# KiCad board revxlp.kicad_pcb (continued)
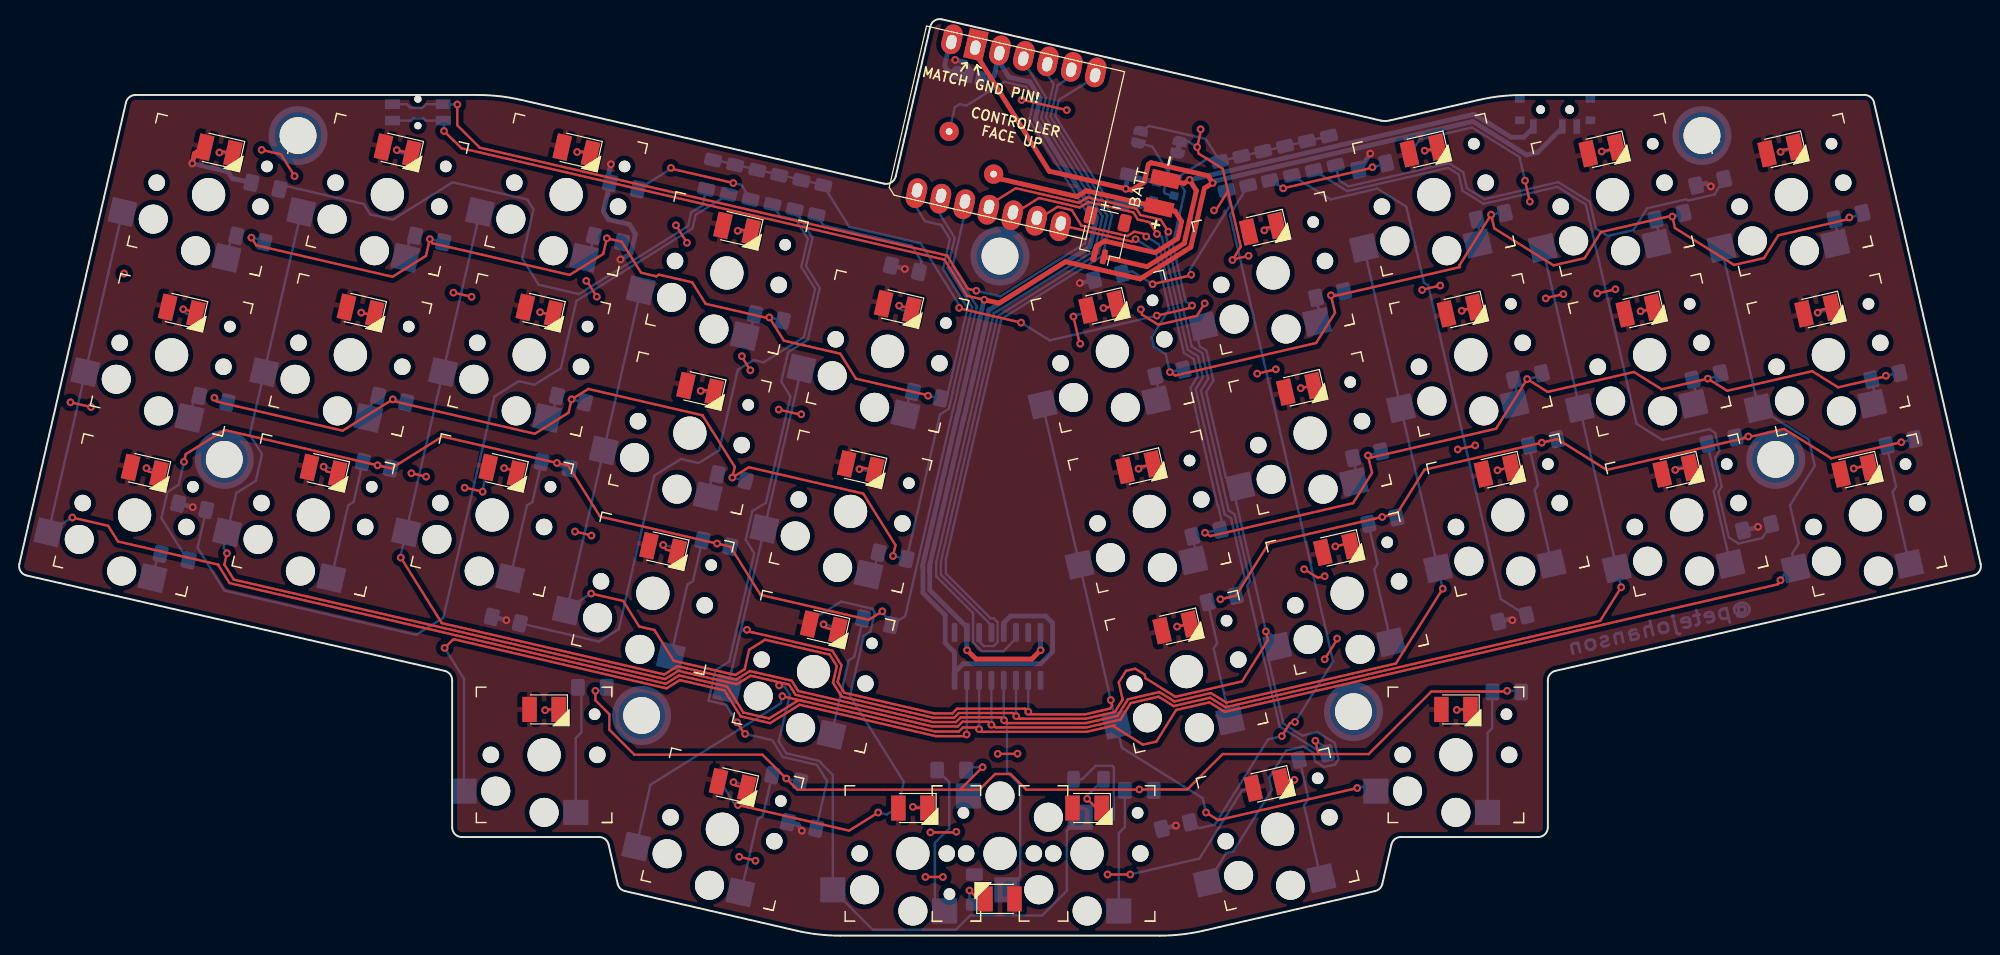
[diagram p0: board, top side]
## Nets (continued)

Pads without a net: BT2 MP; H1 1; H2 1; H3 1; H4 1; H5 1; H6 1; H7 1; SW1 3; U1 1 9 15

## Via types
v1: diameter 0.8, hole 0.4, Top to Bottom, 195 vias

## Routing (per net, layer and track width the routed paths; a pad name or vN(x,y) marks a point on that pad's centre or on a via; arc(x,y) is an arc through that point)
+3V3: length 88.1
  Top w0.5: v1(105.52,29.52) 104.6,28.6 98.84,28.6 v1(97.92,29.52)
  Bottom w0.5: 94.06,37.66 94.06,37.98 ; 94.06,37.66 94.06,38.32 97.54,53.39 97.56,53.41 100.03,64.08 100.17,64.71 110.6,71.22 111.31,74.28 104.97,84.43 105.47,86.59 104.41,88.28 102.25,88.78 101.1,90.62 U2.12 100.7,88.89 100.06,88.49 JP1.3 ; 94.06,37.66 94.06,35.74 97.89,31.9 97.89,29.55 v1(97.92,29.52) ; v1(105.52,29.52) 105.51,29.53 U1.16
+5V: length 40
  Top w0.5: SwA1.4 18.1,80.89 v1(17.86,79.86)
  Bottom w0.5: v1(17.86,79.86) 21.56,79.01 22,78.32 D_U0.2 ; D_U10.2 154.05,32.75 v1(154.26,32.62) ; D_U5.2 174.26,77.81 v1(174.77,77.49) ; v1(139.58,80.88) 138.57,79.26 D_U4.2 ; v1(109.57,67.49) 109.6,67.47 D_U3.2 ; D_U7.2 v1(50.32,32.63) ; 98.21,89.57 97.74,90.33 v1(96.69,90.57) ; v1(62.11,69.93) 62.17,69.92 63.19,70.56 63.65,72.56 63.03,73.57 60.86,74.07 60.34,74.89 D_U1.2 60.78,78.26 v1(61.13,79.78) ; D_U9.2 v1(119.5,11.38) ; v1(91.49,68.94) 91.47,68.97 D_U2.2 ; v1(179.64,42.28) 179.62,42.25 D_U11.2 ; v1(80.85,10.85) 80.44,11.51 D_U8.2 ; D_U6.2 17.9,44.34 v1(17.92,44.31)
GND: length 236.5
  Top w0.25: v1(43.88,83.21) 44.85,82.24 44.87,82.24 45.67,81.43 76.29,74.37 95.59,69.91 97.93,66.17 v1(99.7,65.76)
  Top w0.5: 98.62,91.14 98.9,91.08 106.41,79.06 114.32,77.24 v1(114.32,77.24) 114.91,77.1 116.23,77.93 116.65,79.76 116.94,79.94 120.75,79.06 120.76,79.06 122.83,78.59 v1(123.3,77.84) 122.45,77.31 121.04,71.2 115.79,67.92 108.08,69.7 101.21,65.41 v1(99.7,65.76)
  Bottom w0.25: v1(43.88,83.21) 43.88,84.21 SW2.2 42,84.29 41.78,84.51 40.7,84.51 40.48,84.29 SW2.2
  Bottom w0.5: Q1.2 114.64,78.57 114.54,78.73 ; 159.43,83.56 156.87,81 156.84,81 155.73,80.74 150.19,84.2 123.69,78.08 123.41,78.02 v1(123.3,77.84) ; U1.13 101.7,32.35 102.41,33.05 106.04,33.05 106.76,32.33 106.76,29.37 105.51,28.12 97.52,28.12 96.62,27.22 96.62,29.3 95.66,30.26 95.66,33.15 93.36,35.45 93.36,38.07 ; 93.36,38.07 93.36,38.07 93.36,38.22 ; 93.36,38.07 93.3,38.16 96.92,53.83 96.95,53.85 99.25,63.81 99.23,63.83 99.66,65.7 ; R80.2 114.29,77.3 v1(114.32,77.24)
BAT+: length 32.7
  Top w0.5: U2.16 100.91,78.36 109.26,76.43 110.24,77.05 119.42,74.93 120.09,73.85 119.68,72.1 117.34,70.64 112.13,71.84 111.29,71.32 BT2.2
col0: length 78.1
  Top w0.25: v1(43.94,29.76) 44.81,30.62 45.01,30.62 66.87,25.57 68.24,26.43 72.85,25.36 74.52,22.68 74.53,22.68 77.57,21.98 80.61,23.88 94.72,20.63 97.7,20.63 v1(97.88,20.81)
  Bottom w0.25: SwG0.2 45.94,26.55 v1(43.94,29.76) ; 97.89,25.77 97.89,20.83 v1(97.88,20.81)
col1: length 294.5
  Top w0.25: v1(5.47,43.24) 9.18,42.38 10.19,40.76 20.56,38.37 20.55,38.32 21.72,36.46 66.79,26.05 68.16,26.91 73.13,25.76 74.81,23.08 77.47,22.46 80.52,24.37 80.98,24.26 ; 112.97,21.7 116.09,19.75 117.48,20.07 119.52,23.34 122.96,24.13 124.54,23.14 181.7,36.34 v1(181.97,36.76) ; 110.27,21.08 99.44,21.08 v1(99.16,21.36) 98.99,21.53 97.49,21.53 97.07,21.11 94.62,21.11 80.98,24.26 ; 80.98,24.26 79.63,24.57 79.63,24.58 v1(78.84,24.76) ; 113.18,21.75 110.26,21.08
  Bottom w0.25: SwA1.2 9.2,68.59 SwE1.2 5.45,43.24 v1(5.47,43.24) ; v1(99.16,21.36) 99.16,21.36 99.16,25.77 ; SwG1.2 65.21,15.61 78.66,24.02 v1(78.84,24.76) ; SwB1.2 SwD1.2 184.89,51.31 185.51,48.61 182.95,44.51 183.85,40.58 183.17,39.5 SwF1.2 182.6,37.78 v1(181.97,36.76)
col2: length 293.6
  Top w0.25: 110.3,21.54 113.76,22.34 114.83,24.05 117.7,24.72 119.26,23.74 123.04,24.61 124.62,23.62 163.33,32.56 v1(165.51,36.03) ; 110.24,21.53 100.87,21.53 100.59,21.81 v1(100.44,21.81) 100.12,22.13 97.45,22.13 96.96,21.64 94.33,21.64 80.19,24.9 79.53,25.97 78.48,26.21 ; 78.48,26.21 76.01,26.78 76,26.77 75.55,26.88 74.13,25.99 68.09,27.39 68.09,27.39 66.71,26.53 49.05,30.61 22.16,36.82 21.18,38.38 v1(21.45,39.55) ; 78.48,26.21 78.55,26.1 v1(78.5,25.88)
  Bottom w0.25: SwB2.2 SwF2.2 165.5,36.04 v1(165.51,36.03) ; SwA2.2 23.81,51.82 25.07,49.79 24.44,47.04 22.41,45.78 22.41,45.78 SwE2.2 21.1,40.11 v1(21.45,39.55) ; 100.43,25.77 100.43,21.81 v1(100.44,21.81) ; v1(78.5,25.88) 79.08,25.75 79.61,24.89 79.27,23.44 79.24,23.41 78.47,20.08 79.23,18.86 82.71,18.06 82.85,17.83 84.05,16.63 84.05,8.41 SwG2.2 88.18,0.62 93.47,0.62 93.47,0.62 96.77,0.62 98.23,2.08 105.67,2.08 108.23,4.64 108.23,10.89 SwAltG2.2
col3: length 215.8
  Top w0.25: 110.24,21.99 113.48,22.74 114.55,24.45 117.78,25.2 119.34,24.22 123.12,25.09 124.71,24.1 142.23,28.15 v1(147.07,35.88) ; 94.41,22.09 96.77,22.09 97.26,22.58 101.41,22.58 101.71,22.28 v1(101.75,22.28) 102.04,21.98 110.26,21.98 ; 94.33,22.1 80.48,25.3 79.81,26.36 76.1,27.22 75.48,27.36 74.05,26.47 68.96,27.65 68.96,27.65 68.01,27.87 66.63,27.01 43.65,32.32 v1(39.41,39.1)
  Bottom w0.25: SwA3.2 46.13,68.48 SwE3.2 39.36,39.18 v1(39.41,39.1) ; SwB3.2 146.57,38.01 SwF3.2 147.06,35.89 v1(147.07,35.88) ; 101.7,25.77 101.7,22.32 v1(101.75,22.28) 101.75,22.14 102.05,21.84 102.05,16.94 103.41,15.58 103.41,6.11 SwG3.2
col4: length 204.8
  Top w0.25: 103.67,22.43 103.26,22.43 v1(103,22.7) 102.67,23.03 97.08,23.03 96.59,22.54 94.35,22.54 ; 103.67,22.43 110.12,22.43 ; 103.67,22.43 103.36,22.43 103,22.8 ; v1(59.08,35.38) 62.39,34.61 64.04,31.98 65.62,31.61 67.61,28.43 73.98,26.96 74.94,27.56 75.4,29.57 77.06,30.6 81.68,29.54 81.69,29.54 83.73,29.07 84.47,27.88 84.07,26.16 84.97,24.72 94.35,22.56 ; 110.17,22.44 112.1,22.88 113.2,23.13 114,24.42 113.59,26.19 114.34,27.39 115.29,27.61 116.27,27 116.36,26.63 119.44,24.71 126.34,26.3 129,30.56 v1(128.8,31.46)
  Bottom w0.25: SwA4.2 64.17,66.64 SwE4.2 56.6,33.83 v1(59.08,35.38) ; 102.97,25.77 102.97,22.72 v1(103,22.7) ; SwB4.2 121.71,62.03 121.96,60.93 122.66,60.5 123.37,57.4 122.62,56.21 124.66,47.38 SwD4.2 125.57,45.52 128.81,31.48 v1(128.8,31.46) 129.75,30.86 SwF4.2 129.09,28.48 130.61,21.92 132.56,20.7 134.11,21.05 135.5,20.18 135.51,20.18 135.91,19.93 136.3,18.25 135.96,17.71 134.82,17.44 133.9,18.02 133.69,18.92 132.67,19.56 130.89,19.15 129.12,16.31 129.4,15.07 125.42,8.69 124.68,8.52 SwG4.2
col5: length 146.6
  Top w0.25: v1(75.18,31.63) 75.27,31.48 75.76,31.37 75.76,31.37 84.01,29.46 84.95,27.96 84.55,26.24 85.25,25.12 94.55,22.97 ; v1(112.77,24.37) 112.9,23.8 112.7,23.48 110.13,22.89 ; 110.1,22.88 104.52,22.88 v1(104.25,23.16) 103.93,23.48 96.89,23.48 96.4,22.99 94.52,22.99 ; v1(138.23,15.27) 123.87,11.95 v1(122.61,12.74)
  Bottom w0.25: SwA5.2 80.74,58.4 74.57,31.63 ; v1(138.23,15.27) 139.26,15.51 SwG5.2 ; v1(75.18,31.63) 75.02,31.53 74.57,31.63 ; v1(104.25,23.16) 104.24,23.16 104.24,25.77 ; 74.57,31.63 SwE5.2 ; v1(122.61,12.74) 122.27,14.21 113.91,19.43 SwF5.2 v1(112.77,24.37) 112.73,24.41 112.73,24.54 SwB5.2
ledBottomOut: length 98.3
  Top w0.25: v1(97.1,64.93) 97.14,64.87 v1(103.5,63.4) ; v1(117.53,64.12) 121.02,64.93 v1(121.17,65.16)
  Bottom w0.25: v1(117.53,64.12) 117.53,64.12 106.45,61.56 v1(103.5,63.4) ; R_U3.1 122.8,80.38 120.06,78.67 119.88,77.89 120.43,77.01 119.27,71.98 119.08,71.86 120.53,65.56 v1(121.17,65.16) ; R_U3.1 122.6,82.39 116.74,83.74 JP2.1 ; R_U3.1 R_U9.1 R_U4.1 R_U10.1 R_U11.1 R_U5.1 ; 71.2,80.4 71.22,80.37 78.48,78.7 R_U7.1 78.58,78.67 83.03,77.65 R_U2.1 85.75,73.3 93.13,71.59 97.16,65.15 v1(97.1,64.93)
ledOut: length 185.8
  Top w0.25: v1(155.57,78.08) v1(156.07,75.91) ; v1(93.62,6.07) v1(95.42,6.07) ; v1(129.82,58.57) v1(127.9,58.12) ; v1(7.4,54.67) v1(5.28,55.16) ; v1(134.87,28.58) 136.17,30.65 v1(136.15,30.73) ; v1(59.66,66.08) 58.65,67.7 v1(58.57,67.72) ; v1(157.71,65.9) 157.73,65.93 v1(159.53,66.35) ; v1(122.05,83.39) 122.1,83.31 v1(121.69,81.55) 121.85,80.87 124.34,79.31 124.87,77 ; v1(74.25,13.51) 85.73,10.86 v1(88.73,12.74) ; 124.87,77 123.66,75.05 v1(123.44,75) ; 124.87,77 126.2,71.25 v1(125.34,69.87) 125.38,69.93 v1(127.01,70.31) ; v1(59.11,41.37) 59.09,41.4 v1(57.41,41.79) ; v1(76.06,7.75) 76.04,7.78 v1(74.38,8.16) ; v1(146.81,67.23) 144.96,66.81 v1(144.94,66.78) ; v1(46.01,46.32) 46.04,46.34 v1(47.87,45.92) ; v1(40.51,47.82) v1(42.02,47.47) ; v1(132.75,37.89) 134.16,37.01 v1(134.86,37.18) ; v1(115.87,64.76) 116,64.23 117.67,63.18 121.67,64.1 v1(122.48,65.39) ; v1(164.91,66.85) v1(163.03,66.41) ; v1(112.44,6.33) 112.44,6.33 v1(114.78,6.33) ; v1(25.03,81.26) 27.03,80.8 v1(28.44,78.55) ; v1(101.09,18.8) 103.11,18.8 v1(103.13,18.82) ; v1(74.66,59.93) 74.65,59.88 v1(75.53,58.47) ; v1(96.81,10.74) 96.75,10.68 v1(94.13,10.68) ; v1(78.46,54.4) 80.73,53.88 v1(80.79,53.92) ; v1(103.56,86.43) 103.59,86.45 v1(108.22,85.38) ; v1(46.72,66.07) v1(44.85,66.5) ; v1(108.91,64.03) 109.55,61.25 v1(109.61,61.21) ; v1(150.42,50.7) v1(148.62,50.28) ; v1(68.98,71.65) v1(67.85,73.46)
  Bottom w0.25: v1(108.91,64.03) 108.98,64.14 R_B5.1 ; R_G3.1 109.81,16.17 111.21,17.58 112.91,17.58 113.09,17.4 113.09,12.05 112.86,11.83 ; v1(121.69,81.55) 120.51,82.29 JP3.1 ; v1(47.87,45.92) 47.83,45.98 R_E3.1 ; R_G1.1 73.9,13.59 v1(74.25,13.51) ; v1(88.73,12.74) 89.62,12.53 R_G2.1 91.39,15.9 85.82,24.81 87.25,31 87.92,31.42 88.38,33.42 88.14,33.8 84.91,34.55 R_E5.1 ; R_G4.1 126.35,15.04 121.94,7.98 v1(114.78,6.33) ; v1(155.57,78.08) 155.01,80.51 150.09,83.59 144.67,82.33 R_B3.1
  vias: v1(10.82,68.48)
ledTrig: length 21.3
  Bottom w0.25: 113.93,75.75 115.91,75.29 117.13,76.05 ; U2.8 107.4,86.43 107.02,84.78 112.5,76 R80.1
MISO: length 69.1
  Bottom w0.25: 105.92,89.56 106.86,88.06 106.06,84.61 112.4,74.47 111.5,70.58 101.08,64.06 95.22,38.68 95.22,37.32 100.43,32.1 U1.12
MOSI: length 76.8
  Bottom w0.25: U1.14 102.97,30.73 101.66,29.41 99.46,29.41 98.54,30.33 98.54,33.36 94.74,37.16 94.74,38.6 100.58,63.92 100.68,64.34 111.11,70.86 111.92,74.39 105.65,84.43 105.58,84.53 106.08,86.69 103.74,90.44 U2.11
rowA: length 113.8
  Top w0.25: v1(23.97,72.19) 24.47,71.39 38.55,68.14 42.01,70.3 v1(42.41,72.03) 42.68,71.61 56.86,68.33 60.33,70.5 v1(60.7,72.12) 62.23,71.77 64.24,68.55 65.81,68.19 66.08,68.36 69.52,67.56 70.91,65.35 77.36,63.86 v1(77.49,63.94) 78.99,61.53 84.82,60.18 86.44,57.6 93.86,55.88 v1(93.89,55.84)
  Bottom w0.25: v1(23.97,72.19) 25.2,71.9 D_A1.1 ; D_A2.1 43.79,71.72 v1(42.41,72.03) ; v1(93.89,55.84) 95.18,55.54 D_A5.1 95.91,55.99 97.97,64.91 95.44,68.96 96.15,72.05 95.25,73.49 93.57,73.88 92.44,75.69 92.71,76.86 ; v1(60.7,72.12) 62.23,71.77 D_A3.1 ; v1(77.49,63.94) 78.89,63.61 D_A4.1
rowB: length 117.6
  Top w0.25: v1(118.88,58.28) 119.43,57.93 133.98,61.29 135.94,64.42 v1(135.52,66.22) 135.7,66.11 148.85,69.14 148.81,69.34 v1(152.07,74.56) 152.39,73.15 158.51,69.32 161.73,70.06 163.41,72.76 170.68,74.44 v1(170.79,74.36) 171.07,73.18 177.17,69.36 180.27,70.08 181.73,72.42 188.96,74.09 v1(189.08,74.28) ; v1(115.33,72.03) 114.94,71.79 107.98,73.39 U2.7
  Bottom w0.25: v1(135.52,66.22) 136.81,66.52 D_B4.1 ; D_B2.1 171.89,74.62 v1(170.79,74.36) ; D_B1.1 190.34,74.57 v1(189.08,74.28) ; v1(115.33,72.03) 117.41,70.73 118.79,64.77 116.99,61.89 117.22,60.9 118.45,60.13 v1(118.88,58.28) 120.21,58.58 D_B5.1 ; v1(152.07,74.56) 153.31,74.84 D_B3.1
rowC: length 130.8
  Top w0.25: v1(20.15,55.62) 20.4,55.22 33.4,52.22 v1(38.59,55.46) 38.71,55.26 53.25,51.9 56.74,54.08 v1(57.06,55.46) 58.78,56.54 70.59,53.81 73.92,48.48 v1(73.67,47.37) 75.38,48.44 87.2,45.71 90.53,40.38 v1(90.27,39.27)
  Bottom w0.25: v1(20.15,55.62) 20.27,55.43 D_C1.1 ; v1(73.67,47.37) 75.04,47.05 D_C4.1 ; v1(38.59,55.46) D_C2.1 ; 95.19,76.29 94.89,74.98 96.64,72.17 95.92,69.04 98.45,64.99 96.42,56.2 96.43,56.18 96.05,54.49 95.13,53.92 92.1,40.81 D_C5.1 v1(90.27,39.27) ; v1(57.06,55.46) D_C3.1
rowD: length 134.1
  Top w0.25: v1(122.51,41.67) 123.06,41.32 137.81,44.73 139.76,47.85 v1(139.34,49.66) 139.68,49.45 152.58,52.43 v1(155.79,57.56) 157.91,56.24 166.82,58.29 169.69,56.51 v1(174.45,57.61) 176.47,56.35 185.24,58.38 187.91,56.71 192.81,57.84 v1(192.86,57.91) ; 105.09,74.01 107.28,75.38 108.74,75.04 109.73,73.45 114.48,72.35 115.21,72.81 116.28,72.56 v1(116.44,72.3)
  Bottom w0.25: D_D3.1 157.12,57.87 v1(155.79,57.56) ; D_D4.1 140.64,49.96 v1(139.34,49.66) ; v1(174.45,57.61) 175.6,57.87 D_D2.1 ; v1(116.44,72.3) 117.73,71.49 120.33,60.26 121.34,59.63 121.75,57.85 121,56.65 123.8,44.53 123.86,44.49 124.35,42.36 D_D5.1 124.03,42.02 v1(122.51,41.67) ; v1(192.86,57.91) 194.19,58.21 D_D1.1
rowE: length 145.7
  Top w0.25: v1(89.16,33.54) 89.16,33.54 87.76,32.66 76.58,35.24 73.46,40.23 v1(72.09,40.55) 72.08,40.55 60,43.33 56.7,48.62 v1(55.54,48.89) 43.7,51.62 38.42,48.32 v1(37.01,48.64) 24.93,51.43 21.19,52.3 17.2,49.8 v1(17.01,49.01) 16.99,49
  Bottom w0.25: 56.65,48.37 55.73,48.59 v1(55.54,48.89) ; v1(17.01,49.01) 16.46,46.61 15.3,45.89 14.68,43.18 17.39,38.84 D_E1.1 ; v1(72.09,40.55) 73.46,40.23 D_E4.1 ; v1(89.16,33.54) 90.04,32.13 D_E5.1 91.53,33.04 96.42,54.2 96.44,54.21 96.91,56.26 96.9,56.28 98.93,65.07 96.4,69.12 97.85,75.42 97.66,75.72 ; v1(37.01,48.64) D_E2.1
rowF: length 143.7
  Top w0.25: v1(117.54,72.57) 117.53,72.57 116.77,73.79 115.55,74.07 115.1,74.8 110.46,75.87 109.56,75.31 105.34,76.28 102.61,74.58 ; v1(194.45,51.03) 187.19,49.35 187.18,49.38 182.35,52.4 178.73,51.57 v1(178.64,51.62) 178.57,51.53 164.01,48.17 158.91,51.36 v1(157.31,50.98) 145.18,48.18 142.34,43.65 v1(140.81,43.3) 129.1,40.59 125.7,35.16 v1(124.1,34.79)
  Bottom w0.25: v1(157.31,50.98) D_F3.1 ; v1(178.64,51.62) 178.61,51.64 177.36,51.35 ; D_F4.1 141.83,43.53 v1(140.81,43.3) ; v1(124.1,34.79) D_F5.1 125.62,35.43 126.61,37.02 125.19,43.16 124.53,43.57 121.54,56.52 122.29,57.72 121.78,59.91 120.72,60.58 118.02,72.27 v1(117.54,72.57) ; v1(194.45,51.03) D_F1.1
rowG: length 199.4
  Top w0.25: 97.29,15.1 99.2,15.1 100.82,16.72 102.42,16.72 104.04,15.1 115.7,15.1 v1(115.72,15.12) 120.67,15.12 124.33,18.78 134.13,18.78 ; 97.29,15.1 80.39,15.1 76.77,18.72 63.54,18.72 60.96,21.3 60.96,22.9 59.52,24.34 v1(59.52,25.32) ; 97.29,15.1 97.29,15.19 v1(99.52,17.42) ; 134.13,18.78 134.2,18.89 v1(133.91,20.15) ; 134.13,18.78 139.42,18.78 145.89,25.25 153.65,25.25 v1(153.72,25.32) ; v1(118.71,72.8) 117.94,74.04 115.83,74.52 115.42,75.19 110.37,76.35 110.37,76.35 109.48,75.79 102.95,77.3 100.24,75.6
  Bottom w0.25: 134.78,18.78 130.21,21.63 126.86,36.16 127.16,36.64 125.55,43.59 124.95,43.97 122.08,56.39 122.83,57.59 122.22,60.24 121.14,60.92 118.48,72.43 v1(118.71,72.8) ; D_G4.1 134.94,19.51 v1(133.91,20.15) ; v1(59.52,25.32) 60.85,25.32 ; v1(153.72,25.32) 155.06,25.32 D_G5.1 ; v1(79.24,16.25) D_G1.1 ; D_G2.1 98.11,17.42 v1(99.52,17.42) ; D_G3.1 117.2,15.04 117.12,15.12 v1(115.72,15.12)
RST: length 109.3
  Top w0.25: v1(45.25,85.96) 45.25,83.81 47.57,81.48 95.88,70.33 95.88,70.31 98.01,66.89 v1(98.88,66.69)
  Bottom w0.25: 99.92,66.45 101.35,66.12 110.09,71.58 110.69,74.17 109.78,75.63 ; v1(98.88,66.69) 99.92,66.45 ; 109.78,75.63 109.64,75.85 ; 109.78,75.63 109.78,75.64 104.35,84.33 104.85,86.49 104.05,87.78 101.78,88.3 97.85,85.85 97.18,86 96.65,85.67 U2.15 ; v1(45.25,85.96) 43.83,85.96 SW2.1 42,85.99 41.63,85.61 40.4,85.61 40.03,85.99 SW2.1
SCK: length 73.3
  Bottom w0.25: U1.11 99.16,30.44 99.65,29.95 100.68,29.95 101.08,30.35 101.08,32.41 100.68,32.81 100.36,32.81 95.73,37.44 95.73,38.92 101.47,63.78 111.93,70.32 112.9,74.52 112.31,75.47 106.54,84.69 107.29,87.95 108.3,88.59 108.4,88.99
Net-(BT1-Pad2): length 56
  Top w0.5: BT1.2 120.33,77.79 v1(120.91,78.16) 121.61,77.03 120.36,71.6 116.5,69.18 BT2.1
  Bottom w0.5: 156.43,83.56 155.44,82.57 154.11,82.57 150.32,84.95 v1(120.91,78.16)
Net-(D_A1-Pad2): length 2.6
  Bottom w0.25: SwA1.1 21.85,72.02 D_A1.2
Net-(D_A2-Pad2): length 2.6
  Bottom w0.25: SwA2.1 40.26,71.73 40.83,72.09 40.87,72.29
Net-(D_A3-Pad2): length 2.7
  Bottom w0.25: SwA3.1 58.38,70.09 58.92,70.43 D_A3.2
Net-(D_A4-Pad2): length 2.6
  Bottom w0.25: 75.97,64.28 75.53,62.36 SwA4.1
Net-(D_A5-Pad2): length 2.2
  Bottom w0.25: 92.03,56.05 91.54,53.93 SwA5.1
Net-(D_B1-Pad2): length 2.6
  Bottom w0.25: SwB1.1 187.98,72.14 187.54,74.07
Net-(D_B2-Pad2): length 2.6
  Bottom w0.25: SwB2.1 169.51,72.14 D_B2.2
Net-(D_B3-Pad2): length 2.6
  Bottom w0.25: SwB3.1 151.03,72.14 D_B3.2
Net-(D_B4-Pad2): length 2.6
  Bottom w0.25: D_B4.2 134.43,64.04 SwB4.1
Net-(D_B5-Pad2): length 2.6
  Bottom w0.25: D_B5.2 117.83,55.94 SwB5.1
Net-(D_C1-Pad2): length 2.6
  Bottom w0.25: SwC1.1 18.03,55.46 D_C1.2
Net-(D_C2-Pad2): length 2.6
  Bottom w0.25: SwC2.1 36.5,55.46 D_C2.2
Net-(D_C3-Pad2): length 2.9
  Bottom w0.25: D_C3.2 54.88,52.96
Net-(D_C4-Pad2): length 2.2
  Bottom w0.25: 71.6,47.58 71.11,45.47 SwC4.1
Net-(D_C5-Pad2): length 2.6
  Bottom w0.25: 88.75,39.62 88.31,37.69 SwC5.1
Net-(D_D1-Pad2): length 2.6
  Bottom w0.25: SwD1.1 191.8,55.58 D_D1.2
Net-(D_D2-Pad2): length 2.6
  Bottom w0.25: SwD2.1 173.33,55.58 D_D2.2
Net-(D_D3-Pad2): length 2.6
  Bottom w0.25: SwD3.1 154.86,55.58 D_D3.2
Net-(D_D4-Pad2): length 2.6
  Bottom w0.25: D_D4.2 138.25,47.48 SwD4.1
Net-(D_D5-Pad2): length 2.6
  Bottom w0.25: D_D5.2 121.65,39.38 SwD5.1
Net-(D_E1-Pad2): length 2.7
  Bottom w0.25: SwE1.1 14.29,39.3 D_E1.2
Net-(D_E2-Pad2): length 12.6
  Bottom w0.25: SwE2.1 33.97,44.5 34.54,44.85 D_E2.2
Net-(D_E3-Pad2): length 12.6
  Bottom w0.25: SwE3.1 52.44,44.5 53.01,44.85 D_E3.2
Net-(D_E4-Pad2): length 12.6
  Bottom w0.25: SwE4.1 69.02,36.31 69.59,36.66 70.55,40.8
Net-(D_E5-Pad2): length 12.6
  Bottom w0.25: SwE5.1 85.69,28.47 86.26,28.83 D_E5.2
Net-(D_F1-Pad2): length 12.6
  Bottom w0.25: SwF1.1 193.56,45.88 193.91,46.45 D_F1.2
Net-(D_F2-Pad2): length 12.6
  Bottom w0.25: SwF2.1 175.06,45.97 175.42,46.54 174.46,50.68
Net-(D_F3-Pad2): length 12.6
  Bottom w0.25: SwF3.1 156.57,46.06 156.92,46.63 D_F3.2
Net-(D_F4-Pad2): length 12.6
  Bottom w0.25: SwF4.1 139.98,37.87 140.34,38.44 D_F4.2
Net-(D_F5-Pad2): length 12.6
  Bottom w0.25: SwF5.1 123.4,29.68 123.76,30.25 D_F5.2
Net-(D_G0-Pad2): length 12.7
  Bottom w0.25: SwG0.1 57.49,20.44 58.07,21.02 58.07,25.25
Net-(D_G1-Pad2): length 12.7
  Bottom w0.25: 74.55,4.45 76.31,12.05 76.81,12.37 D_G1.2
Net-(D_G2-Pad2): length 18.5
  Bottom w0.25: SwAltG2.1 97.43,15.07 96.07,15.07 ; SwG2.1 94.6,3.55 94.6,9.61 96.07,11.08 96.07,15.07 ; D_G2.2 96.07,15.88 96.07,15.07 ; 97.52,15.12 97.64,15
Net-(D_G3-Pad2): length 12.7
  Bottom w0.25: SwG3.1 113.6,10.6 114.23,11.23 D_G3.2
Net-(D_G4-Pad2): length 12.6
  Bottom w0.25: 132.29,18.08 133.19,14.18 132.74,13.46 134.48,5.92
Net-(D_G5-Pad2): length 12.6
  Bottom w0.25: SwG5.1 151.7,20.97 152.18,21.45 152.18,25.2
Net-(D_U1-Pad1): length 13.4
  Top w0.25: v1(67.33,79.4) 67.38,79.31 v1(73.76,77.83)
  Bottom w0.25: v1(67.33,79.4) 67.3,79.29 D_U1.1 63.95,77.15 ; v1(73.76,77.83) 74.62,77.64 R_U1.2
Net-(D_U2-Pad1): length 13.9
  Bottom w0.25: 86.06,72.76 92.2,71.35 93.2,69.74 D_U2.1 ; 86.06,72.76 85.84,72.81 ; 86.06,72.76 83.07,73.46 R_U2.2
Net-(D_U3-Pad1): length 17.6
  Top w0.25: v1(121.07,68.35) 121.04,68.29 v1(117.09,67.38)
  Bottom w0.25: D_U3.1 114.96,68.71 v1(117.09,67.38) ; R_U3.2 125.09,75.51 120.95,68.88 v1(121.07,68.35)
Net-(D_U4-Pad1): length 12.6
  Top w0.25: v1(139.8,79.47) 139.76,79.41 v1(130.58,77.29)
  Bottom w0.25: D_U4.1 141.18,79.79 v1(139.8,79.47) ; R_U4.2 129.26,78.12 v1(130.58,77.29)
Net-(D_U5-Pad1): length 49.4
  Bottom w0.25: R_U5.2 136.37,78.09 137.33,77.49 147.71,79.89 149.18,78.97 149.57,77.29 151.37,76.16 159,77.93 162.26,75.89 162.9,73.13 164.12,72.36 166.78,72.97 168.18,75.22 172.2,76.15 172.41,76.02 175.15,76.65 D_U5.1
Net-(D_U6-Pad1): length 91
  Bottom w0.25: D_U6.1 18.41,40.12 21.18,35.68 40.99,31.11 43.81,32.87 47.32,48.1 47.32,48.1 49.09,55.77 51.61,57.34 53.22,56.97 55.95,58.68 57.56,65.64 69.55,73.14 69.88,74.55 R_U6.2
Net-(D_U7-Pad1): length 67.4
  Bottom w0.25: D_U7.1 59.89,30.42 61.93,31.69 65.6,47.57 68.35,49.3 70.18,48.87 72.31,50.2 74.23,58.51 75.86,59.53 76.9,59.29 81.07,61.9 82.22,66.89 80.79,69.17 81.46,72.07 80.24,74.03 78.57,74.42 R_U7.2
Net-(D_U8-Pad1): length 77.1
  Top w0.25: v1(74.99,20.87) 74.89,20.89 v1(74.16,22.06)
  Bottom w0.25: v1(74.99,20.87) 77.79,20.22 78.88,18.48 82.41,17.66 83.46,15.98 D_U8.1 ; v1(74.16,22.06) 73.02,23.88 71.2,24.3 71.93,27.46 73.34,28.34 75.93,39.54 75.05,40.95 75.73,43.9 77.14,44.78 79.67,55.77 78.72,57.29 79.42,60.34 81.46,61.61 82.7,66.97 81.27,69.25 81.96,72.22 81.89,72.24 R_U8.2
Net-(D_U9-Pad1): length 75.1
  Top w0.25: v1(130.45,20.63) 131.29,21.98 v1(131.8,22.1)
  Bottom w0.25: v1(131.8,22.1) 131.83,22.11 135.74,28.37 125.08,74.56 R_U9.2 ; v1(130.45,20.63) 129.03,20.31 123.52,11.49 121.91,11.12 D_U9.1
Net-(D_U10-Pad1): length 58.2
  Bottom w0.25: D_U10.1 153.07,34.8 145.58,67.23 145.13,67.51 143.31,75.38 140.31,77.25 135.47,76.14 R_U10.2
Net-(D_U11-Pad1): length 80.5
  Bottom w0.25: D_U11.1 180.1,41.13 177.62,40.56 176.63,41.18 175.54,45.89 175.9,46.46 175.21,49.44 175.65,50.14 175.22,52 174.61,52.38 169.76,51.26 167.1,52.93 161.86,75.61 158.92,77.45 151.29,75.68 149.11,77.04 148.72,78.72 147.63,79.41 137.19,77 R_U11.2
Net-(Q1-Pad3): length 10.2
  Bottom w0.25: JP3.2 119.08,80.55 118.72,78.95 ; Q1.3 118.4,76.73 118.26,76.95 118.72,78.95 ; 118.72,78.95 117.06,81.6 JP2.2
Net-(R_A1-Pad2): length 2.9
  Top w0.25: SwA1.3 20.91,81.14 v1(20.67,80.99)
  Bottom w0.25: v1(20.67,80.99) R_A1.2
Net-(R_A2-Pad2): length 3.3
  Top w0.25: v1(39,81.24) 40.54,80.88 SwA2.3
  Bottom w0.25: v1(39,81.24) 39.15,80.99 R_A2.2
Net-(R_A3-Pad2): length 2.9
  Top w0.25: v1(57.63,81.04) 57.81,81.15 SwA3.3
  Bottom w0.25: R_A3.2 58.98,80.73 v1(57.63,81.04)
Net-(R_A4-Pad2): length 2.9
  Top w0.25: SwA4.3 74.46,73.04 v1(74.22,72.89)
  Bottom w0.25: v1(74.22,72.89) R_A4.2
Net-(R_A5-Pad2): length 3.1
  Top w0.25: SwA5.3 92.1,64.87 v1(90.91,65.15)
  Bottom w0.25: v1(90.91,65.15) 91.18,64.71 R_A5.2
Net-(R_AltG2-Pad2): length 3.7
  Top w0.25: v1(98.17,4.67) 99.04,3.8 SwAltG2.3
  Bottom w0.25: R_AltG2.2 98.17,3.72 v1(98.17,4.67)
Net-(R_B1-Pad2): length 3.3
  Top w0.25: SwB1.3 182.08,81.22 v1(181.97,81.05)
  Bottom w0.25: R_B1.2 183.52,81.41 v1(181.97,81.05)
Net-(R_B2-Pad2): length 3.3
  Top w0.25: SwB2.3 164.95,81.43 v1(163.49,81.1)
  Bottom w0.25: v1(163.49,81.1) 163.61,81.02 R_B2.2
Net-(R_B3-Pad2): length 2.9
  Top w0.25: v1(145.2,81.18) 146.51,81.49 SwB3.3
  Bottom w0.25: v1(145.2,81.18) 145.38,81.07 R_B3.2
Net-(R_B4-Pad2): length 2.9
  Top w0.25: SwB4.3 128.78,73.18 v1(128.63,72.94)
  Bottom w0.25: v1(128.63,72.94) R_B4.2
Net-(R_B5-Pad2): length 2.9
  Top w0.25: v1(112.01,64.9) 113.24,65.18 SwB5.3
  Bottom w0.25: R_B5.2 112.08,64.86 v1(112.01,64.9)
Net-(R_C1-Pad2): length 3.1
  Top w0.25: SwC1.3 18.13,64.5 v1(16.93,64.78)
  Bottom w0.25: R_C1.2 17.2,64.35 v1(16.93,64.78)
Net-(R_C2-Pad2): length 2.9
  Top w0.25: SwC2.3 36.49,64.17 v1(35.32,64.43)
  Bottom w0.25: v1(35.32,64.43) 35.33,64.43 R_C2.2
Net-(R_C3-Pad2): length 2.9
  Top w0.25: SwC3.3 55.02,64.2 v1(53.8,64.48)
  Bottom w0.25: R_C3.2 53.84,64.42 v1(53.8,64.48)
Net-(R_C4-Pad2): length 2.9
  Top w0.25: v1(70.4,56.34) 70.63,56.48 SwC4.3
  Bottom w0.25: R_C4.2 71.8,56.01 v1(70.4,56.34)
Net-(R_C5-Pad2): length 3.3
  Top w0.25: v1(86.8,48.24) 87.08,48.42 SwC5.3
  Bottom w0.25: R_C5.2 88.36,47.88 v1(86.8,48.24)
Net-(R_D1-Pad2): length 3.3
  Top w0.25: SwD1.3 185.96,64.67 v1(185.81,64.43)
  Bottom w0.25: v1(185.81,64.43) R_D1.2
Net-(R_D2-Pad2): length 2.9
  Top w0.25: SwD2.3 168.78,64.87 v1(167.51,64.58)
  Bottom w0.25: R_D2.2 167.63,64.5 v1(167.51,64.58)
Net-(R_D3-Pad2): length 2.9
  Top w0.25: SwD3.3 149.06,64.68 v1(149.03,64.62)
  Bottom w0.25: v1(149.03,64.62) 150.29,64.91 R_D3.2
Net-(R_D4-Pad2): length 2.9
  Top w0.25: v1(132.4,56.62) 133.71,56.92 SwD4.3
  Bottom w0.25: R_D4.2 v1(132.4,56.62)
Net-(R_D5-Pad2): length 3.3
  Top w0.25: v1(115.64,48.29) 115.75,48.46 SwD5.3
  Bottom w0.25: R_D5.2 117.19,48.65 v1(115.64,48.29)
Net-(R_E1-Pad2): length 3
  Top w0.25: SwE1.3 13.36,47.99 v1(13.13,48.35)
  Bottom w0.25: v1(13.13,48.35) R_E1.2
Net-(R_E2-Pad2): length 3.4
  Top w0.25: v1(31.44,48.5) 31.74,48.01 SwE2.3
  Bottom w0.25: v1(31.44,48.5) 32.93,48.15 R_E2.2
Net-(R_E3-Pad2): length 3
  Top w0.25: SwE3.3 51.15,48.11 v1(50.08,48.35)
  Bottom w0.25: R_E3.2 v1(50.08,48.35)
Net-(R_E4-Pad2): length 3.4
  Top w0.25: SwE4.3 66.82,39.91 v1(66.51,40.4)
  Bottom w0.25: R_E4.2 68.01,40.06 v1(66.51,40.4)
Net-(R_E5-Pad2): length 3.4
  Top w0.25: v1(83.09,32.2) 83.32,31.84 SwE5.3
  Bottom w0.25: v1(83.09,32.2) R_E5.2
Net-(R_F1-Pad2): length 3.4
  Top w0.25: SwF1.3 190.84,48.61 v1(189.53,48.31)
  Bottom w0.25: v1(189.53,48.31) 189.56,48.36 R_F1.2
Net-(R_F2-Pad2): length 3.4
  Top w0.25: SwF2.3 172.55,48.5 v1(171.09,48.16)
  Bottom w0.25: v1(171.09,48.16) 171.24,48.4 R_F2.2
Net-(R_F3-Pad2): length 3.1
  Top w0.25: SwF3.3 154.14,48.46 v1(152.73,48.13)
  Bottom w0.25: R_F3.2 v1(152.73,48.13)
Net-(R_F4-Pad2): length 3.4
  Top w0.25: SwF4.3 137.24,40.55 v1(135.97,40.25)
  Bottom w0.25: R_F4.2 v1(135.97,40.25)
Net-(R_F5-Pad2): length 2.9
  Top w0.25: v1(119.62,31.97) 120.92,32.27 SwF5.3
  Bottom w0.25: R_F5.2 119.63,31.96 v1(119.62,31.97)
Net-(R_G0-Pad2): length 3
  Top w0.25: SwG0.3 54.4,23.4 v1(54.32,23.32)
  Bottom w0.25: v1(54.32,23.32) 55.39,23.32 R_G0.2
Net-(R_G1-Pad2): length 3.1
  Top w0.25: SwG1.3 74.01,15.52 v1(73.78,15.88)
  Bottom w0.25: v1(73.78,15.88) R_G1.2
Net-(R_G2-Pad2): length 3.1
  Top w0.25: v1(92.32,13.32) 92.44,13.2 SwG2.3
  Bottom w0.25: v1(92.32,13.32) 93.8,13.32 R_G2.2
Net-(R_G3-Pad2): length 4.6
  Top w0.25: SwG3.3 111.27,13.2 v1(110.32,14.15)
  Bottom w0.25: v1(110.32,14.15) 110.32,14.47 R_G3.2
Net-(R_G4-Pad2): length 2.7
  Top w0.25: SwG4.3 131.61,16.2 v1(131.74,16.12)
  Bottom w0.25: v1(131.74,16.12) 130.64,15.86 R_G4.2
Net-(R_G5-Pad2): length 2.9
  Top w0.25: SwG5.3 148.57,23.4 v1(148.52,23.34)
  Bottom w0.25: v1(148.52,23.34) 149.87,23.34 R_G5.2
Net-(R_U0-Pad2): length 59.6
  Bottom w0.25: R_U0.2 70.59,75.53 69.41,74.79 69.09,73.38 57.84,66.35 53.66,67.31 51.95,70.04 53.12,75.11 52.48,76.13 44.76,77.91 38.59,74.05 36.25,74.59 35.57,75.67 27.45,77.55 D_U0.1
Net-(U2-Pad14): length 3.4
  Bottom w0.5: JP1.1 95.94,89.44 95.6,89.98 96.03,91.84

## Copper pours and planes (outline as drawn; the poured copper is in the pictures)
+5V on Top: 211.67,102.15 229.17,101.15 230.67,-6.35 100.67,-10.6 -31.33,21.4 -11.08,104.9
ledOut on Bottom: 210.57,103.41 232.82,-5.84 -32.43,-0.84 -6.93,106.91

## Text on the board
Bottom: @petejohanson
B.Silkscreen: VBUS | LED V+ | 3.3v | RESET | ON | OFF | 0 | 1 | 2 | 3 | 4 | 5 | SER | RCLK | SRCLK | LED | A | RST | C | E | G | BAT+ | F | D | B | revxlp | v0.1
F.Silkscreen: MATCH GND PIN! | CONTROLLER / FACE UP
